# Altium PCB PCB_AutoRoute.PcbDoc (part 1 of 2) (continued)
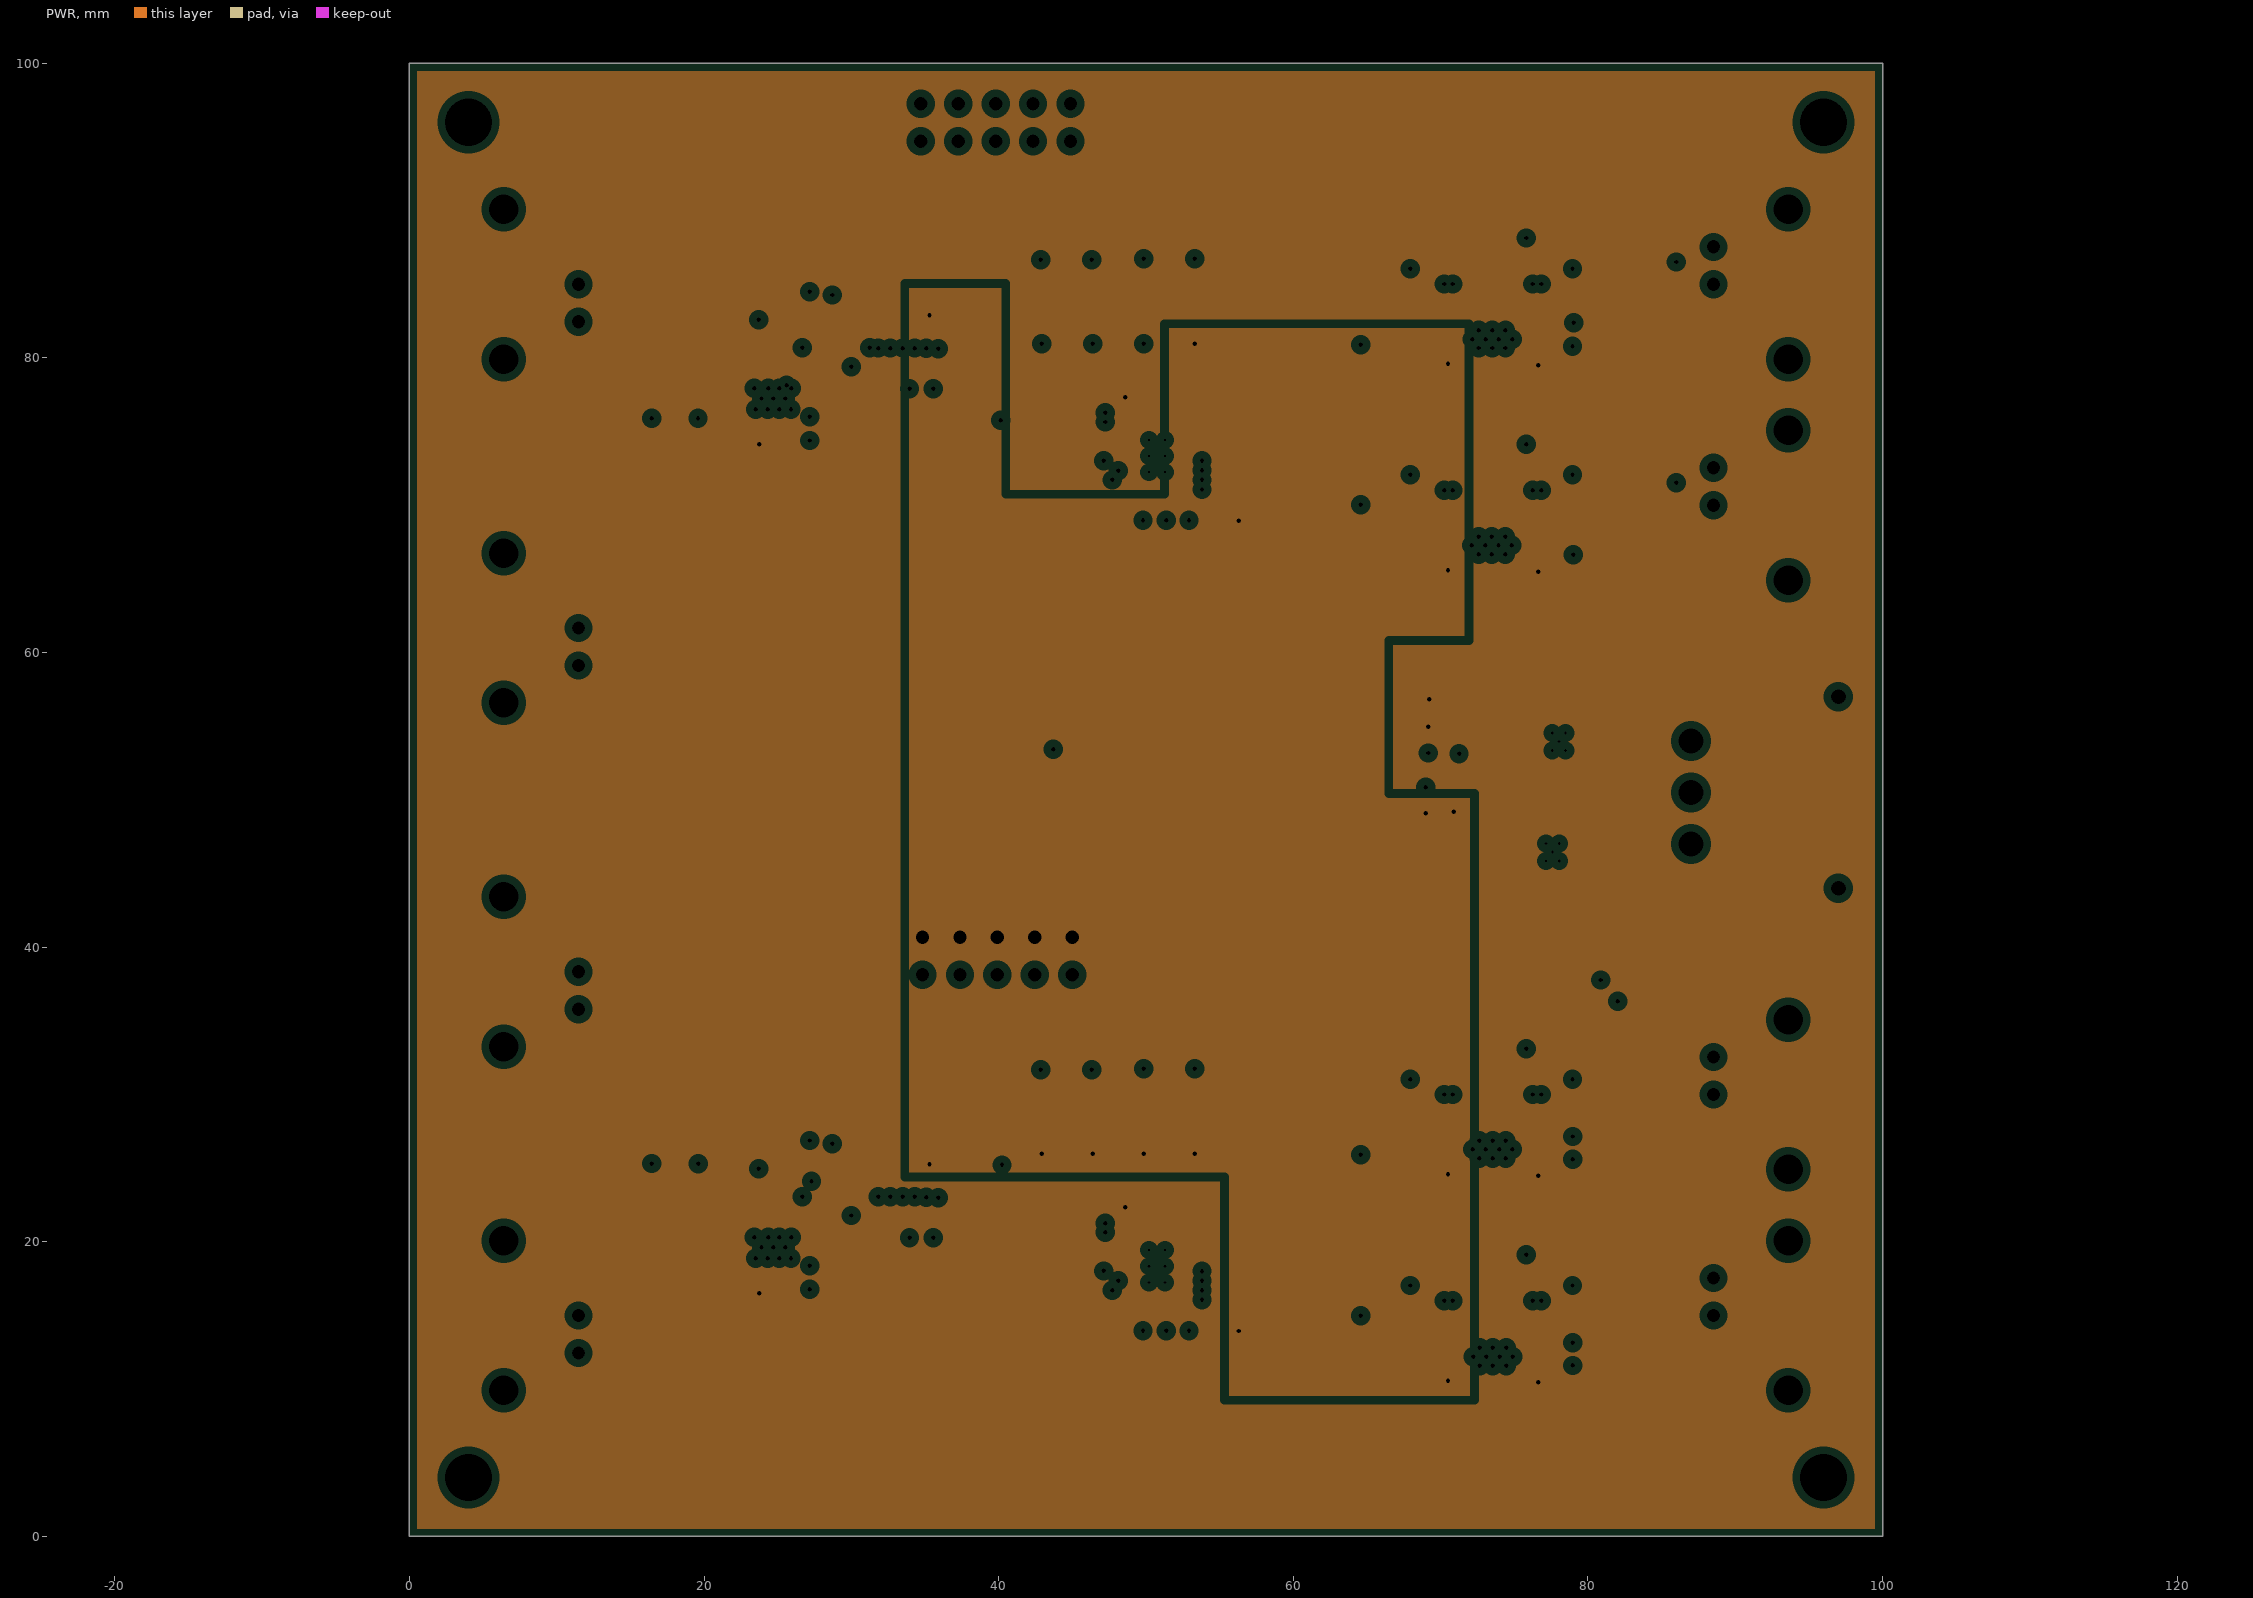
[diagram p3: PWR, clearances drawn from the general rule]

## Layer stack, top to bottom
Top Solder: solder mask 0.015, Solder Resist, Dk 3.5
Top Layer: signal copper 0.035
Dielectric 2: prepreg 0.0711, PP-006, Dk 4.1
AGND: plane copper 0.0175, net AGND
Dielectric 1: dielectric 1.5, FR-4, Dk 4.8
PWR: plane copper 0.0175, net +AVEE_5P5V
Dielectric 3: prepreg 0.0711, PP-006, Dk 4.1
Bottom Layer: signal copper 0.035
Bottom Solder: solder mask 0.015, Solder Resist, Dk 3.5

## Board outline
0,0 0,100 100,100 100,0

## Design rules (kind name [scope] priority, off if disabled: settings)
Clearance [All] p1: gap=0.152 ignorepadtopadclearanceinfootprint=FALSE
MinimumSolderMaskSliver [All] p1: minsoldermaskwidth=0.127
PlaneClearance [All] p1: clearance=0.508
PlaneConnect [All] p1: planeconnectstyle=Direct reliefexpansion=0.508 reliefentries=4 reliefconductorwidth=0.254 reliefairgap=0.254
PolygonConnect [All] p1: connectstyle=Direct reliefconductorwidth=0.254 reliefentries=4 polygonreliefangle="90 Angle" airgapwidth=0.254
RoomDefinition MIXER21 [InComponentClass('MIXER21')] p1: confinementstyle=ConfineIn formatcopy=TRUE lockcomponents=FALSE outline 81.35,77.52 66,77.52 66,63.52 81.35,63.52
RoomDefinition MIXER22 [InComponentClass('MIXER22')] p2: confinementstyle=ConfineIn formatcopy=TRUE lockcomponents=FALSE outline 81.35,36.5 66,36.5 66,22.5 81.35,22.5
RoomDefinition MIXER12 [InComponentClass('MIXER12')] p3: confinementstyle=ConfineIn formatcopy=TRUE lockcomponents=FALSE outline 81.35,22.5 66,22.5 66,8.5 81.35,8.5
RoomDefinition PGA11 [InComponentClass('PGA11')] p4: confinementstyle=ConfineIn formatcopy=TRUE lockcomponents=FALSE outline 41.4,66.791 57.893,66.791 57.893,88.216 41.4,88.216
RoomDefinition PWR [InComponentClass('PWR')] p5: confinementstyle=ConfineIn formatcopy=TRUE lockcomponents=FALSE outline 100.242,59.125 67.325,59.125 67.325,42.125 100.242,42.125
RoomDefinition PGA12 [InComponentClass('PGA12')] p6: confinementstyle=ConfineIn formatcopy=TRUE lockcomponents=FALSE outline 41.4,11.791 57.893,11.791 57.893,33.216 41.4,33.216
RoomDefinition MIXER11 [InComponentClass('MIXER11')] p7: confinementstyle=ConfineIn formatcopy=TRUE lockcomponents=FALSE outline 81.35,91.52 66,91.52 66,77.52 81.35,77.52
RoomDefinition AMP12 [InComponentClass('AMP12')] p8: confinementstyle=ConfineIn formatcopy=TRUE lockcomponents=FALSE outline 22.3,15.453 36.95,15.453 36.95,29.553 22.3,29.553
RoomDefinition AMP11 [InComponentClass('AMP11')] p9: confinementstyle=ConfineIn formatcopy=TRUE lockcomponents=FALSE outline 22.3,73.075 36.95,73.075 36.95,87.175 22.3,87.175
RoutingVias [All] p1: holewidth=0.3 width=0.45 viastyle="Through Hole" minholewidth=0.3 minwidth=0.4 maxholewidth=0.3 maxwidth=0.6
SilkToSilkClearance [All] p1: silktosilkclearance=0.127
SilkToSolderMaskClearance [IsPad] p1: minsilkscreentomaskgap=0.152 clearancetoexposedcopper=TRUE
SolderMaskExpansion [All] p1: expansion=0.102 istentingtop=FALSE
SupplyNets "Schematic Supply Nets_2" [InNet('+AVEE_5P5V')] p1: voltage=0.000
SupplyNets "Schematic Supply Nets_1" [InNet('+AVDD_5P5V')] p2: voltage=0.000
SupplyNets "Schematic Supply Nets" [InNet('AGND')] p3: voltage=0.000
Width [All] p1: maxlimit=25.4 minlimit=0.127 preferedwidth=0.254
25 further rules are at their usual default settings.

## Classes and differential pairs
component class PWR: C19 C20 C21 C22 C23 C24 C25 C26 C27 C28 C29 C30 C33 C34 C35 C36 FB7 FB8 FB9 FB10 R32 R33 R34 R35 T1 U4 U5
channel class THS7001_PGA: PGA11 PGA12
channel class OPA847_LNA: AMP11 AMP12
channel class Analog_Channel: CH1 CH2
channel class AD835_Mixer: MIXER11 MIXER12 MIXER21 MIXER22
net class CH2_CONT_BIT[0..4]: CH2_CONT_BIT0 CH2_CONT_BIT1 CH2_CONT_BIT2 CH2_CONT_BIT3 CH2_CONT_BIT4
net class CH1_CONT_BIT[0..4]: CH1_CONT_BIT0 CH1_CONT_BIT1 CH1_CONT_BIT2 CH1_CONT_BIT3 CH1_CONT_BIT4
component class PGA12: C13_PGA12 C14_PGA12 C15_PGA12 C16_PGA12 FB5_PGA12 FB6_PGA12 Q2_PGA12 Q3_PGA12 Q4_PGA12 Q5_PGA12 R8_PGA12 R9_PGA12 R10_PGA12 R11_PGA12 R12_PGA12 R13_PGA12 R14_PGA12 R15_PGA12 R16_PGA12 R17_PGA12 U3_PGA12
component class PGA11: C13_PGA11 C14_PGA11 C15_PGA11 C16_PGA11 FB5_PGA11 FB6_PGA11 Q2_PGA11 Q3_PGA11 Q4_PGA11 Q5_PGA11 R8_PGA11 R9_PGA11 R10_PGA11 R11_PGA11 R12_PGA11 R13_PGA11 R14_PGA11 R15_PGA11 R16_PGA11 R17_PGA11 U3_PGA11
component class MIXER22: C9_MIXER22 C10_MIXER22 C11_MIXER22 C12_MIXER22 FB3_MIXER22 FB4_MIXER22 R6_MIXER22 R7_MIXER22 R41_MIXER22 R42_MIXER22 U2_MIXER22
component class MIXER21: C9_MIXER21 C10_MIXER21 C11_MIXER21 C12_MIXER21 FB3_MIXER21 FB4_MIXER21 R6_MIXER21 R7_MIXER21 R41_MIXER21 R42_MIXER21 U2_MIXER21
component class MIXER12: C9_MIXER12 C10_MIXER12 C11_MIXER12 C12_MIXER12 FB3_MIXER12 FB4_MIXER12 R6_MIXER12 R7_MIXER12 R41_MIXER12 R42_MIXER12 U2_MIXER12
component class MIXER11: C9_MIXER11 C10_MIXER11 C11_MIXER11 C12_MIXER11 FB3_MIXER11 FB4_MIXER11 R6_MIXER11 R7_MIXER11 R41_MIXER11 R42_MIXER11 U2_MIXER11
component class CH2: C1_CH2 C2_CH2 C3_CH2 C31_CH2 C32_CH2 R1_CH2 R2_CH2 R43_CH2 R44_CH2 R45_CH2
component class CH1: C1_CH1 C2_CH1 C3_CH1 C31_CH1 C32_CH1 R1_CH1 R2_CH1 R43_CH1 R44_CH1 R45_CH1
component class Analog_Channel_Test: C17 C18 CH1 CH1_I CH1_Q CH1_SET CH2 CH2_I CH2_Q CH2_SET R18 R19 R20 R21 R22 R23 R24 R25 R26 R27 R28 R29 R30 R31 VSIN_I VSIN_Q
component class AMP12: C4_AMP12 C5_AMP12 C6_AMP12 C7_AMP12 C8_AMP12 FB1_AMP12 FB2_AMP12 Q1_AMP12 R3_AMP12 R4_AMP12 R5_AMP12 U1_AMP12
component class AMP11: C4_AMP11 C5_AMP11 C6_AMP11 C7_AMP11 C8_AMP11 FB1_AMP11 FB2_AMP11 Q1_AMP11 R3_AMP11 R4_AMP11 R5_AMP11 U1_AMP11

## Components (designator, comment, footprint, x,y, rotation, side; value= is the part's Value field where it differs from the comment)
C1_CH1 "100nF" 0805_C 39.2,79.275 r0 top (schematic designator C1)
C1_CH2 "100nF" 0805_C 39.25,21.4 r0 top (schematic designator C1)
C2_CH1 "10nF" 0603_C 86,85.745 r270 top (schematic designator C2)
C2_CH2 "10nF" 0603_C 86.175,15.745 r270 top (schematic designator C2)
C3_CH1 "10nF" 0603_C 86,70.745 r270 top (schematic designator C3)
C3_CH2 "10nF" 0603_C 86.175,30.745 r270 top (schematic designator C3)
C4_AMP11 "100nF" 0603_C 33.95,78.672 r90 bottom (schematic designator C4)
C4_AMP12 "100nF" 0603_C 33.95,21.05 r90 bottom (schematic designator C4)
C5_AMP11 "10nF" 0603_C 35.55,78.672 r90 bottom (schematic designator C5)
C5_AMP12 "10nF" 0603_C 35.55,21.05 r90 bottom (schematic designator C5)
C6_AMP11 "100nF" 0603_C 26.4,74.397 r180 bottom (schematic designator C6)
C6_AMP12 "100nF" 0603_C 26.4,16.775 r180 bottom (schematic designator C6)
C7_AMP11 "10nF" 0603_C 26.4,75.997 r180 bottom (schematic designator C7)
C7_AMP12 "10nF" 0603_C 26.4,18.375 r180 bottom (schematic designator C7)
C8_AMP11 "10pF" 0603_C 28.375,80.872 r0 bottom (schematic designator C8)
C8_AMP12 "10pF" 0603_C 28.375,23.25 r0 bottom (schematic designator C8)
C9_MIXER11 "100nF" 0603_C 71,83.04 r180 bottom (schematic designator C9)
C9_MIXER12 "100nF" 0603_C 71,14.02 r180 bottom (schematic designator C9)
C9_MIXER21 "100nF" 0603_C 71,69.04 r180 bottom (schematic designator C9)
C9_MIXER22 "100nF" 0603_C 71,28.02 r180 bottom (schematic designator C9)
C10_MIXER11 "10nF" 0603_C 71.02,84.615 r180 bottom (schematic designator C10)
C10_MIXER12 "10nF" 0603_C 71.02,15.595 r180 bottom (schematic designator C10)
C10_MIXER21 "10nF" 0603_C 71.02,70.615 r180 bottom (schematic designator C10)
C10_MIXER22 "10nF" 0603_C 71.02,29.595 r180 bottom (schematic designator C10)
C11_MIXER11 "100nF" 0603_C 76.125,82.965 r0 bottom (schematic designator C11)
C11_MIXER12 "100nF" 0603_C 76.125,13.945 r0 bottom (schematic designator C11)
C11_MIXER21 "100nF" 0603_C 76.125,68.965 r0 bottom (schematic designator C11)
C11_MIXER22 "100nF" 0603_C 76.125,27.945 r0 bottom (schematic designator C11)
C12_MIXER11 "10nF" 0603_C 76.125,84.54 r0 bottom (schematic designator C12)
C12_MIXER12 "10nF" 0603_C 76.125,15.52 r0 bottom (schematic designator C12)
C12_MIXER21 "10nF" 0603_C 76.125,70.54 r0 bottom (schematic designator C12)
C12_MIXER22 "10nF" 0603_C 76.125,29.52 r0 bottom (schematic designator C12)
C13_PGA11 "100nF" 0603_C 52.15,68.975 r0 top (schematic designator C13)
C13_PGA12 "100nF" 0603_C 52.15,13.975 r0 top (schematic designator C13)
C14_PGA11 "10nF" 0603_C 52.4,71.45 r0 bottom (schematic designator C14)
C14_PGA12 "10nF" 0603_C 52.4,16.45 r0 bottom (schematic designator C14)
C15_PGA11 "100nF" 0603_C 49.025,68.975 r180 top (schematic designator C15)
C15_PGA12 "100nF" 0603_C 49.025,13.975 r180 top (schematic designator C15)
C16_PGA11 "10nF" 0603_C 49.3,72.35 r180 bottom (schematic designator C16)
C16_PGA12 "10nF" 0603_C 49.3,17.35 r180 bottom (schematic designator C16)
C17 "330nF" 1206_C 18.025,79.412 r0 top
C18 "330nF" 1206_C 18.025,21.79 r0 top
C19 "10uF" 0805_C 84.475,48.675 r270 top
C20 "10uF" 0805_C 79.175,49.375 r0 top
C21 "10uF" 0805_C 75.425,49.4 r180 top
C22 "10uF" 0805_C 69,49.975 r270 top
C23 "10nF" 0603_C 71.925,46.6 r90 top
C24 "10uF" 0805_C 82.1,48.525 r270 top
C25 "10uF" 0805_C 70.05,46.35 r90 top
C26 "100nF" 0603_C 78.825,43.675 r0 top
C27 "10uF" 0805_C 84.525,53.175 r270 top
C28 "10uF" 0805_C 79.9,56.725 r180 top
C29 "10uF" 0805_C 71.25,54.025 r270 top
C30 "10uF" 0805_C 69.15,54.075 r270 top
C31_CH1 "100nF" 0805_C 61.25,82.48 r0 top (schematic designator C31)
C31_CH2 "100nF" 0805_C 61.25,13.46 r0 top (schematic designator C31)
C32_CH1 "100nF" 0805_C 61.25,68.48 r0 top (schematic designator C32)
C32_CH2 "100nF" 0805_C 61.25,27.46 r0 top (schematic designator C32)
C33 "100nF" 0603_C 79.25,51.3 r0 top
C34 "10uF" 0805_C 82.3,53.275 r90 top
C35 "10uF" 0805_C 76.35,56.75 r180 top
C36 "10nF" 0603_C 72.975,54.25 r90 top
CH1 "BNC" BNC-TYCO_1-1337542-0 6,85 r180 top
CH1_I "BNC" BNC-TYCO_1-1337542-0 94,85 r0 top
CH1_Q "BNC" BNC-TYCO_1-1337542-0 94,70 r0 top
CH1_SET "Pin HDR2X5" "Pin HDR2X5/2.54mm-S" 44.877,97.255 r180 top
CH2 "BNC" BNC-TYCO_1-1337542-0 6,15 r180 top
CH2_I "BNC" BNC-TYCO_1-1337542-0 94,15 r0 top
CH2_Q "BNC" BNC-TYCO_1-1337542-0 94,30 r0 top
CH2_SET "Pin HDR2X5" "Pin HDR2X5/2.54mm-S" 44.99,40.675 r180 top
FB1_AMP11 "Bead" 0805_L 35.305,81.997 r270 bottom (schematic designator FB1)
FB1_AMP12 "Bead" 0805_L 35.305,24.375 r270 bottom (schematic designator FB1)
FB2_AMP11 "Bead" 0805_L 23.75,75.022 r90 bottom (schematic designator FB2)
FB2_AMP12 "Bead" 0805_L 23.75,17.4 r90 bottom (schematic designator FB2)
FB3_MIXER11 "Bead" 0805_L 70.5,80.49 r90 bottom (schematic designator FB3)
FB3_MIXER12 "Bead" 0805_L 70.5,11.47 r90 bottom (schematic designator FB3)
FB3_MIXER21 "Bead" 0805_L 70.5,66.49 r90 bottom (schematic designator FB3)
FB3_MIXER22 "Bead" 0805_L 70.5,25.47 r90 bottom (schematic designator FB3)
FB4_MIXER11 "Bead" 0805_L 76.625,80.39 r90 bottom (schematic designator FB4)
FB4_MIXER12 "Bead" 0805_L 76.625,11.37 r90 bottom (schematic designator FB4)
FB4_MIXER21 "Bead" 0805_L 76.625,66.39 r90 bottom (schematic designator FB4)
FB4_MIXER22 "Bead" 0805_L 76.625,25.37 r90 bottom (schematic designator FB4)
FB5_PGA11 "Bead" 0805_L 55.4,68.95 r180 bottom (schematic designator FB5)
FB5_PGA12 "Bead" 0805_L 55.4,13.95 r180 bottom (schematic designator FB5)
FB6_PGA11 "Bead" 0805_L 48.6,76.45 r270 bottom (schematic designator FB6)
FB6_PGA12 "Bead" 0805_L 48.6,21.45 r270 bottom (schematic designator FB6)
FB7 "Bead" 0805_L 83.475,45.3 r0 top
FB8 "Bead" 0805_L 71.775,49.2 r0 top
FB9 "Bead" 0805_L 84.015,56.75 r180 top
FB10 "Bead" 0805_L 70.11,56.825 r0 top
Q1_AMP11 "2N7002" SOT-23(SOT-23-3) 29.95,85.222 r180 top (schematic designator Q1)
Q1_AMP12 "2N7002" SOT-23(SOT-23-3) 29.95,27.6 r180 top (schematic designator Q1)
Q2_PGA11 "2N7002" SOT-23(SOT-23-3) 54.132,83.798 r90 top (schematic designator Q2)
Q2_PGA12 "2N7002" SOT-23(SOT-23-3) 54.132,28.798 r90 top (schematic designator Q2)
Q3_PGA11 "2N7002" SOT-23(SOT-23-3) 43.732,83.798 r90 top (schematic designator Q3)
Q3_PGA12 "2N7002" SOT-23(SOT-23-3) 43.732,28.798 r90 top (schematic designator Q3)
Q4_PGA11 "2N7002" SOT-23(SOT-23-3) 47.199,83.798 r90 top (schematic designator Q4)
Q4_PGA12 "2N7002" SOT-23(SOT-23-3) 47.199,28.798 r90 top (schematic designator Q4)
Q5_PGA11 "2N7002" SOT-23(SOT-23-3) 50.665,83.798 r90 top (schematic designator Q5)
Q5_PGA12 "2N7002" SOT-23(SOT-23-3) 50.665,28.798 r90 top (schematic designator Q5)
R1_CH1 "10kΩ" 0603_R 83.375,85 r180 top (schematic designator R1)
R1_CH2 "10kΩ" 0603_R 83.375,15 r180 top (schematic designator R1)
R2_CH1 "10kΩ" 0603_R 83.375,70 r180 top (schematic designator R2)
R2_CH2 "10kΩ" 0603_R 83.375,30 r180 top (schematic designator R2)
R3_AMP11 "100Ω" 0603_R 23.725,81.822 r270 top (schematic designator R3)
R3_AMP12 "100Ω" 0603_R 23.725,24.2 r270 top (schematic designator R3)
R4_AMP11 "910Ω" 0603_R 28.375,79.297 r0 bottom (schematic designator R4)
R4_AMP12 "910Ω" 0603_R 28.375,21.675 r0 bottom (schematic designator R4)
R5_AMP11 "10kΩ" 0603_R 27.175,85.272 r90 top (schematic designator R5)
R5_AMP12 "10kΩ" 0603_R 27.175,27.65 r90 top (schematic designator R5)
R6_MIXER11 "2kΩ" 0603_R 71.975,88.14 r180 top (schematic designator R6)
R6_MIXER12 "2kΩ" 0603_R 71.975,19.12 r180 top (schematic designator R6)
R6_MIXER21 "2kΩ" 0603_R 71.975,74.14 r180 top (schematic designator R6)
R6_MIXER22 "2kΩ" 0603_R 71.975,33.12 r180 top (schematic designator R6)
R7_MIXER11 "200Ω" 0603_R 75.05,88.14 r180 top (schematic designator R7)
R7_MIXER12 "200Ω" 0603_R 75.05,19.12 r180 top (schematic designator R7)
R7_MIXER21 "200Ω" 0603_R 75.05,74.14 r180 top (schematic designator R7)
R7_MIXER22 "200Ω" 0603_R 75.05,33.12 r180 top (schematic designator R7)
R8_PGA11 "100Ω" 0603_R 43.052,73.723 r0 top (schematic designator R8)
R8_PGA12 "100Ω" 0603_R 43.052,18.723 r0 top (schematic designator R8)
R9_PGA11 "100Ω" 0603_R 45.527,74.523 r90 top (schematic designator R9)
R9_PGA12 "100Ω" 0603_R 45.527,19.523 r90 top (schematic designator R9)
R10_PGA11 "10kΩ" 0603_R 54.084,80.973 r180 top (schematic designator R10)
R10_PGA12 "10kΩ" 0603_R 54.084,25.973 r180 top (schematic designator R10)
R11_PGA11 "10kΩ" 0603_R 54.084,86.743 r0 top (schematic designator R11)
R11_PGA12 "10kΩ" 0603_R 54.084,31.743 r0 top (schematic designator R11)
R12_PGA11 "10kΩ" 0603_R 43.684,80.973 r180 top (schematic designator R12)
R12_PGA12 "10kΩ" 0603_R 43.684,25.973 r180 top (schematic designator R12)
R13_PGA11 "10kΩ" 0603_R 43.684,86.743 r0 top (schematic designator R13)
R13_PGA12 "10kΩ" 0603_R 43.684,31.743 r0 top (schematic designator R13)
R14_PGA11 "10kΩ" 0603_R 47.151,80.973 r180 top (schematic designator R14)
R14_PGA12 "10kΩ" 0603_R 47.151,25.973 r180 top (schematic designator R14)
R15_PGA11 "10kΩ" 0603_R 47.151,86.743 r0 top (schematic designator R15)
R15_PGA12 "10kΩ" 0603_R 47.151,31.743 r0 top (schematic designator R15)
R16_PGA11 "10kΩ" 0603_R 50.617,80.973 r180 top (schematic designator R16)
R16_PGA12 "10kΩ" 0603_R 50.617,25.973 r180 top (schematic designator R16)
R17_PGA11 "10kΩ" 0603_R 50.617,86.743 r0 top (schematic designator R17)
R17_PGA12 "10kΩ" 0603_R 50.617,31.743 r0 top (schematic designator R17)
R18 "49.9Ω" 0603_R 17.408,63.115 r210 top
R19 "49.9Ω" 0603_R 19.925,61.667 r270 top
R20 "49.9Ω" 0603_R 16.46,76.675 r90 top
R21 "10kΩ" 0603_R 19.59,76.675 r90 top
R22 "49.9Ω" 0603_R 17.45,60.175 r150 top
R23 "49.9Ω" 0603_R 79,67.4 r90 top
R24 "49.9Ω" 0603_R 78.95,81.57 r90 top
R25 "49.9Ω" 0603_R 17.317,39.785 r210 top
R26 "49.9Ω" 0603_R 19.925,38.333 r270 top
R27 "49.9Ω" 0603_R 17.342,36.885 r150 top
R28 "49.9Ω" 0603_R 78.975,12.38 r90 top
R29 "49.9Ω" 0603_R 78.975,26.38 r90 top
R30 "49.9Ω" 0603_R 16.45,24.545 r270 top
R31 "10kΩ" 0603_R 19.6,24.525 r270 top
R32 "91kΩ" 0603_R 73.6,46.575 r90 top
R33 "10kΩ" 0603_R 72.725,44.3 r180 top
R34 "10kΩ" 0603_R 73.675,51.75 r180 top
R35 "91kΩ" 0603_R 74.325,54.15 r90 top
R41_MIXER11 "200Ω" 0603_R 67.95,85.29 r270 top (schematic designator R41)
R41_MIXER12 "200Ω" 0603_R 67.95,16.27 r270 top (schematic designator R41)
R41_MIXER21 "200Ω" 0603_R 67.95,71.29 r270 top (schematic designator R41)
R41_MIXER22 "200Ω" 0603_R 67.95,30.27 r270 top (schematic designator R41)
R42_MIXER11 "200Ω" 0603_R 78.95,85.29 r270 top (schematic designator R42)
R42_MIXER12 "200Ω" 0603_R 78.95,16.27 r270 top (schematic designator R42)
R42_MIXER21 "200Ω" 0603_R 78.95,71.29 r270 top (schematic designator R42)
R42_MIXER22 "200Ω" 0603_R 78.95,30.27 r270 top (schematic designator R42)
R43_CH1 "10kΩ" 0603_R 40.15,76.55 r90 top (schematic designator R43)
R43_CH2 "10kΩ" 0603_R 40.225,24.45 r270 top (schematic designator R43)
R44_CH1 "10kΩ" 0603_R 64.575,81.705 r90 top (schematic designator R44)
R44_CH2 "10kΩ" 0603_R 64.575,14.21 r270 top (schematic designator R44)
R45_CH1 "10kΩ" 0603_R 64.575,69.255 r270 top (schematic designator R45)
R45_CH2 "10kΩ" 0603_R 64.575,26.685 r90 top (schematic designator R45)
T1 "MR30" MR30PW-M 87,47 r90 top
U1_AMP11 "OPA847" SOIC127P600X175-8M 28.425,80.047 r0 top (schematic designator U1)
U1_AMP12 "OPA847" SOIC127P600X175-8M 28.425,22.425 r0 top (schematic designator U1)
U2_MIXER11 "AD835ARZ" FP-R-8-IPC_A 73.534,84.385 r180 top (schematic designator U2)
U2_MIXER12 "AD835ARZ" FP-R-8-IPC_A 73.534,15.365 r180 top (schematic designator U2)
U2_MIXER21 "AD835ARZ" FP-R-8-IPC_A 73.534,70.385 r180 top (schematic designator U2)
U2_MIXER22 "AD835ARZ" FP-R-8-IPC_A 73.534,29.365 r180 top (schematic designator U2)
U3_PGA11 "THS7001CPWP" PWP0020D_M 50.752,73.343 r0 top (schematic designator U3)
U3_PGA12 "THS7001CPWP" PWP0020D_M 50.752,18.343 r0 top (schematic designator U3)
U4 "TPS7A4901" DGN0008D_L 77.6,46.45 r0 top
U5 "TPS7A3001" DGN0008D_L 78.025,53.95 r0 top
VSIN_I "BNC" BNC-TYCO_1-1337542-0 6,38.333 r180 top
VSIN_Q "BNC" BNC-TYCO_1-1337542-0 6,61.667 r180 top

## Footprints (in the part's own frame and the unit in brackets; to place one, negate y for a bottom-side part, rotate by r counter-clockwise, add the part's x,y. Pads: shape width x height; smd on the part's side, far side on the other; paste and mask are expansions set on the pad)
0603_C [mm]
  rect 0.93x0.98 smd: 1(-0.77,0) 2(0.77,0)
  silkscreen extent -1.53,-0.79 1.54,0.79, body extent -0.8,-0.4 0.8,0.4, height 0.3
0603_R [mm]
  rect 0.93x0.98 smd: 1(-0.77,0) 2(0.77,0)
  silkscreen extent -1.53,-0.79 1.54,0.79, body extent -0.85,-0.4 0.85,0.4, height 0.56
0805_C [mm]
  rect 1.16x1.47 smd: 1(-0.89,0) 2(0.89,0)
  silkscreen extent -1.77,-1.04 1.77,1.04, body extent -1,-0.62 1,0.63, height 0.77
0805_L [mm]
  rect 1.16x1.47 smd: 1(-0.89,0) 2(0.89,0)
  silkscreen extent -1.77,-1.04 1.77,1.03, body extent -1,-0.63 1,0.63, height 0.49
1206_C [mm]
  rect 1.13x1.8 smd: 1(-1.49,0) 2(1.49,0)
  silkscreen extent -2.36,-1.2 2.35,1.2, body extent -1.6,-0.81 1.6,0.79, height 1
BNC-TYCO_1-1337542-0 [mm] "BNC-50 Ohms  BNC Elbow PCB Socket With Mounting Posts"
  round 1.6 hole 0.9: 1(-5.48,0) MH(-5.48,2.54)
  round 2.7 hole 2: MH(-0.4,5.08) MH(-0.4,-5.08)
  silkscreen extent -7.5,-7.35 28,7.35, body extent -7.5,-7.35 28,7.35, height 13.16
DGN0008D_L [mm] "TSOP, 8-Leads, Body 3.1x3.1mm, Pitch 0.65mm, Thermal Pad 1.89x1.57mm, IPC High Density"
  rrect22% 1.15x0.45 smd: 1(-2.125,0.975) 2(-2.125,0.325) 3(-2.125,-0.325) 4(-2.125,-0.975) 5(2.125,-0.975) 6(2.125,-0.325) 7(2.125,0.325) 8(2.125,0.975)
  rrect6% 1.57x1.89 smd: 9(0,0)
  silkscreen extent -2.25,-1.55 1.15,1.87, body extent -2.45,-1.5 2.45,1.5, height 0.94
FP-R-8-IPC_A [mm]
  rect 2.474x0.622 smd paste+0 mask+0: 1(-2.416,1.905)
  rrect100% 2.474x0.622 smd paste+0 mask+0: 2(-2.416,0.635) 3(-2.416,-0.635) 4(-2.416,-1.905) 5(2.416,-1.905) 6(2.416,-0.635) 7(2.416,0.635) 8(2.416,1.905)
  silkscreen extent -4.8,-2.45 0.68,2.45, body extent -4.15,-2.95 4.15,2.95, height 0.25
MR30PW-M [mm]
  round 2.5 hole 1.7: 1(0,0) 2(3.5,0) 3(7,0)
  round 2 hole 1: MACH(-3,-10) MACH(10,-10)
  body extent -4.2,-13 11.2,0.95, height 5.05
"Pin HDR2X5/2.54mm-S" [mm] "Connector; Header; 5x2 Position"
  rect 1.5x1.5 hole 0.9: 1(0,0)
  round 1.5 hole 0.9: 2(0,2.54) 3(2.54,0) 4(2.54,2.54) 5(5.08,0) 6(5.08,2.54) 7(7.62,0) 8(7.62,2.54) 9(10.16,0) 10(10.16,2.54)
  silkscreen extent -1.27,-1.27 11.43,3.81, body extent -1.27,-1.27 11.43,3.81, height 7.58
PWP0020D_M [mm] "SOP, 20-Leads, Body 4.5x6.6mm, Pitch 0.65mm, Thermal Pad 2x3mm, IPC Low Density"
  rrect22% 1.6x0.45 smd: 1(-3.05,2.925) 2(-3.05,2.275) 3(-3.05,1.625) 4(-3.05,0.975) 5(-3.05,0.325) 6(-3.05,-0.325) 7(-3.05,-0.975) 8(-3.05,-1.625) 9(-3.05,-2.275) 10(-3.05,-2.925) 11(3.05,-2.925) 12(3.05,-2.275) 13(3.05,-1.625) 14(3.05,-0.975) 15(3.05,-0.325) 16(3.05,0.325) 17(3.05,0.975) 18(3.05,1.625) 19(3.05,2.275) 20(3.05,2.925)
  rrect5% 2x3 smd: 21(0,0)
  silkscreen extent -3.17,-3.3 1.85,3.82, body extent -3.21,-3.25 3.21,3.25, height 0.98
SOIC127P600X175-8M [mm] "SOIC, 8-Leads, Body 4.90x3.95mm, Pitch 1.27mm, IPC Low Density"
  oval 1.65x0.65 smd: 1(-2.825,1.905) 2(-2.825,0.635) 3(-2.825,-0.635) 4(-2.825,-1.905) 5(2.825,-1.905) 6(2.825,-0.635) 7(2.825,0.635) 8(2.825,1.905)
  silkscreen extent -2.95,-2.5 1.6,2.9, body extent -3,-2.5 3,2.5, height 1.75
SOT-23(SOT-23-3) [mm]
  rect 1.25x0.7 smd: 1(1.25,-0.95) 2(1.25,0.95) 3(-1.25,0)
  silkscreen extent -0.65,-1.46 0.9,1.46, body extent -1.5,-1.5 1.5,1.5, height 1.3

## Part data
C1_CH1 C1_CH2 C31_CH1 C31_CH2 C32_CH1 C32_CH2: library part "0805 100nF(104) 10% 50V", "贴片电容", Package=0805, SuppliersPartNumber=C49678, ComponentLink1Description=供应商链接, ComponentLink1URL=http://www.szlcsc.com/product/details_50686.html, Supplier=LC
C2_CH1 C2_CH2 C3_CH1 C3_CH2 C5_AMP11 C5_AMP12 C7_AMP11 C7_AMP12 C10_MIXER11 C10_MIXER12 C10_MIXER21 C10_MIXER22 C12_MIXER11 C12_MIXER12 C12_MIXER21 C12_MIXER22 C14_PGA11 C14_PGA12 C16_PGA11 C16_PGA12 C23 C36: library part "0603 10nF (103) 10% 50V", "贴片电容", Package=0603, SuppliersPartNumber=C57112, ComponentLink1Description=供应商链接, ComponentLink1URL=http://www.szlcsc.com/product/details_58143.html, Supplier=LC
C4_AMP11 C4_AMP12 C6_AMP11 C6_AMP12 C9_MIXER11 C9_MIXER12 C9_MIXER21 C9_MIXER22 C11_MIXER11 C11_MIXER12 C11_MIXER21 C11_MIXER22 C13_PGA11 C13_PGA12 C15_PGA11 C15_PGA12 C26 C33: library part "0603 100nF (104) 10% 50V", "贴片电容", Package=0603, SuppliersPartNumber=C14663, ComponentLink1Description=供应商链接, ComponentLink1URL=http://www.szlcsc.com/product/details_15331.html, Supplier=LC
C8_AMP11 C8_AMP12: library part "0603 10pF (100) 5% 50V", "贴片电容", Package=0603, SuppliersPartNumber=C1634, ComponentLink1Description=供应商链接, ComponentLink1URL=http://www.szlcsc.com/product/details_1986.html, Supplier=LC
C17 C18: library part "1206 100nF (104) 10% 50V", "贴片电容", Package=1206, SuppliersPartNumber=C24497, ComponentLink1Description=供应商链接, ComponentLink1URL=http://www.szlcsc.com/product/details_25237.html, Supplier=LC
C19 C20 C21 C22 C24 C25 C27 C28 C29 C30 C34 C35: library part "0805 10uF (106) 10% 25V", "贴片电容", Package=0805, SuppliersPartNumber=C15850, ComponentLink1Description=供应商链接, ComponentLink1URL=http://www.szlcsc.com/product/details_16532.html, Supplier=LC
CH1 CH1_I CH1_Q CH2 CH2_I CH2_Q VSIN_I VSIN_Q: "BNC-KE PIN 6.9mm distance", PartNumber=51K101-400A4, ComponentLink1Description="Manufacturer URL", ComponentLink1URL=http://www.rosenberger.de, ComponentLink2Description=Datasheet, ComponentLink2URL=http://rosenberger.de/ok/images/documents/db/51K101-400A4.pdf, ComponentLink3Description="Package Specification", ComponentLink3URL=http://rosenberger.de/ok/images/documents/db/51K101-400A4.pdf, ComponentLink4Description="URL Link1", ComponentLink4URL="Series Overview / Design Note:http://rosenberger.de/ok/images/documents/spez/51.pdf", ComponentLink5Description="Webshop / RFQ", ComponentLink5URL=http://www.rosenberger.com/en/contact/sales/, DatasheetVersion=c00, Design Note="Footprint in library is a generic example - only application specific footprint delivers High Performance", Mounting Technology="Through Hole", PackageDescription="50R BNC Straight Jack, 12 x 12 x 15 mm", PackageReference=51K101-400A4, PackageVersion=c00
Q1_AMP11 Q1_AMP12 Q2_PGA11 Q2_PGA12 Q3_PGA11 Q3_PGA12 Q4_PGA11 Q4_PGA12 Q5_PGA11 Q5_PGA12: library part "2N7002 7002", "MOS(场效应管)", Package=SOT-23(SOT-23-3), SuppliersPartNumber=C8545, ComponentLink1Description=供应商链接, ComponentLink1URL=http://www.szlcsc.com/product/details_9040.html, Supplier=LC
R1_CH1 R1_CH2 R2_CH1 R2_CH2 R5_AMP11 R5_AMP12 R10_PGA11 R10_PGA12 R11_PGA11 R11_PGA12 R12_PGA11 R12_PGA12 R13_PGA11 R13_PGA12 R14_PGA11 R14_PGA12 R15_PGA11 R15_PGA12 R16_PGA11 R16_PGA12 R17_PGA11 R17_PGA12 R21 R31 R33 R34 R43_CH1 R43_CH2 R44_CH1 R44_CH2 R45_CH1 R45_CH2: library part "0603 10KΩ (1002) 1%", "贴片电阻", Package=0603, SuppliersPartNumber=C25804, ComponentLink1Description=供应商链接, ComponentLink1URL=http://www.szlcsc.com/product/details_26547.html, Supplier=LC
R3_AMP11 R3_AMP12 R8_PGA11 R8_PGA12 R9_PGA11 R9_PGA12: library part "0603 100Ω (1000) 1%", "贴片电阻", Package=0603, SuppliersPartNumber=C22775, ComponentLink1Description=供应商链接, ComponentLink1URL=http://www.szlcsc.com/product/details_23502.html, Supplier=LC
R4_AMP11 R4_AMP12: library part "0603 910Ω (9100) 1%", "贴片电阻", Package=0603, SuppliersPartNumber=C23264, ComponentLink1Description=供应商链接, ComponentLink1URL=http://www.szlcsc.com/product/details_23991.html, Supplier=LC
R6_MIXER11 R6_MIXER12 R6_MIXER21 R6_MIXER22: library part "0603 2KΩ (2001) 1%", "贴片电阻", Package=0603, SuppliersPartNumber=C22975, ComponentLink1Description=供应商链接, ComponentLink1URL=http://www.szlcsc.com/product/details_23702.html, Supplier=LC
R7_MIXER11 R7_MIXER12 R7_MIXER21 R7_MIXER22 R41_MIXER11 R41_MIXER12 R41_MIXER21 R41_MIXER22 R42_MIXER11 R42_MIXER12 R42_MIXER21 R42_MIXER22: library part "0603 200Ω (2000) 1%", "贴片电阻", Package=0603, SuppliersPartNumber=C8218, ComponentLink1Description=供应商链接, ComponentLink1URL=http://www.szlcsc.com/product/details_8708.html, Supplier=LC
R18 R19 R20 R22 R23 R24 R25 R26 R27 R28 R29 R30: library part "0603 49.9Ω (49R9) 1%", "贴片电阻", Package=0603, SuppliersPartNumber=C23185, ComponentLink1Description=供应商链接, ComponentLink1URL=http://www.szlcsc.com/product/details_23912.html, Supplier=LC
R32 R35: library part "0603 91KΩ (9102) 1%", "贴片电阻", Package=0603, SuppliersPartNumber=C23265, ComponentLink1Description=供应商链接, ComponentLink1URL=http://www.szlcsc.com/product/details_23992.html, Supplier=LC
U1_AMP11 U1_AMP12: "Wideband, Ultra-Low Noise, Voltage-Feedback OPERATIONAL AMPLIFIER with Shutdown"
U2_MIXER11 U2_MIXER12 U2_MIXER21 U2_MIXER22: library part CMP-09114-000033-1, "ANALOG MULTIPLIER OR DIVIDER, 25", Case/Package=SOIC, Dual Supply Voltage=5V, Max Dual Supply Voltage=5.5V, Max Frequency=250MHz, Max Input Voltage=1V, Max Operating Temperature=85°C, Max Power Dissipation=300mW, Min Dual Supply Voltage=4.5V, Min Operating Temperature=-40°C, Nominal Supply Current=16mA, Operating Supply Current=25mA, Output Voltage=2.5V, Package Quantity=1, -3db Bandwidth=250MHz, Accuracy=2%, Contact Plating=Tin, Height=1.5mm, Lead Free="Contains Lead", Length=5mm, Max Supply Voltage=5.5V, Min Supply Voltage=4.5V, Mount="Surface Mount", Number of Amplifiers=3, Number of Bits=4, Number of Channels=2, Number of Circuits=1, Number of Elements=1, Number of Pins=8, Operating Supply Voltage=5V, Packaging=Rail/Tube, Radiation Hardening=No, REACH SVHC="No SVHC", RoHS Compliant=Yes, Series=-, Settling Time=20ns, Slew Rate=1000V/µs, Supply Current=16mA, Width=4mm
U3_PGA11 U3_PGA12: library part CMP-0988-00128-2, "70-MHz High-Speed Programmable-Gain Amplifier, 0 to 70 degC, 20-pin SOP (PWP20), Green (RoHS & no Sb/Br)", Manufacturer="Texas Instruments", BW @ Acl(MHz)=100, Code_JEDEC=MO-153, ComponentLink1Description="Manufacturer URL", ComponentLink1URL=http://www.ti.com/, ComponentLink2Description=Datasheet, ComponentLink2URL=http://www.ti.com/general/docs/lit/getliterature.tsp?genericPartNumber=THS7001&fileType=pdf, ComponentLink3Description="Package Specification", ComponentLink3URL=http://www.ti.com/lit/ml/mhts001g/mhts001g.pdf, DatasheetVersion=SLOS214C, Disable=TRUE, Eco-Plan="Green (RoHS & no Sb/Br)", Iib(Max)(nA)=6000, Mounting Technology="Surface Mount", Number of Channels=1, PackageDescription="20-Pin Plastic Small Outline, Body 4.4 x 6.5 mm, Pitch 0.65 mm", PackageReference=PWP0020D, PackageVersion="4073225-4/I, 05/2011", PartNumber=THS7001CPWP, Slew Rate(Typ)(V/us)=85, SubFamily="Variable Gain Amplifier", Vio(Max)(mV)=7, Vn at Flatband(Typ)(nV/rtHz)=1.7, Vs(Max)(V)=32, Vs(Min)(V)=9

## Free pads (board coordinates)
  round 4 hole 3.2: MACH(4,4) MACH(4,96) MACH(96,4) MACH(96,96)

## Via types
v1: diameter 0.45, hole 0.3, Top Layer to Bottom Layer, 208 vias
v2: diameter 0.5, hole 0.2, Top Layer to Bottom Layer, 12 vias
v3: diameter 0.5, hole 0.2, Top Layer to Bottom Layer, tented both sides, 10 vias

## Nets (pads, with @x,y where several pads share a name; then routed paths per layer and width w, separated by ;. In a path a pad name is that pad's centre, name@x,y a point inside that pad or via, vN(x,y) a via of type N, cw(c..) or ccw(c..) an arc to the next point about the centre after c; other vN are vias at no path point)
+AVDD_5P5V: C22.2 CH1_SET.1 CH1_SET.3 CH1_SET.5 CH1_SET.7 CH1_SET.9 CH2_SET.1 CH2_SET.3 CH2_SET.5 CH2_SET.7 CH2_SET.9 FB1_AMP11.1 FB1_AMP12.1 FB3_MIXER11.1 FB3_MIXER12.1 FB3_MIXER21.1 FB3_MIXER22.1 FB5_PGA11.1 FB5_PGA12.1 FB8.1 R10_PGA11.2 R10_PGA12.2 R12_PGA11.2 R12_PGA12.2 R14_PGA11.2 R14_PGA12.2 R16_PGA11.2 R16_PGA12.2 | length 47.9
  Bottom Layer w0.6: v1(35.305,82.887) 35.15,82.887 34.87,83.167 34.87,83.322 32.55,85.642 32.55,95.925 33.732,97.107 34.568,97.107 CH1_SET.9@34.717,97.255 CH1_SET.7@37.257,97.255 CH1_SET.5@39.797,97.255 CH1_SET.3@42.337,97.255 CH1_SET.1@44.877,97.255 ; v1(42.914,25.973) v1(46.381,25.973) v1(49.847,25.973) v1(53.314,25.973) ; v1(42.914,80.973) v1(46.381,80.973) v1(49.847,80.973) v1(53.314,80.973)
  other v1: 70.5,10.58 56.29,13.95 70.5,24.58 35.305,25.265 69,49.085 70.885,49.2 70.5,65.6 56.29,68.95 70.5,79.6
+AVEE_5P5V: C30.1 FB2_AMP11.1 FB2_AMP12.1 FB4_MIXER11.1 FB4_MIXER12.1 FB4_MIXER21.1 FB4_MIXER22.1 FB6_PGA11.1 FB6_PGA12.1 FB10.1
  other v1: 76.625,10.48 23.75,16.51 48.6,22.34 76.625,24.48 69.15,54.965 69.22,56.825 76.625,65.5 23.75,74.132 48.6,77.34 76.625,79.5